# Altium PCB LimeSDR-Micro_M.2_2280_1v1.PcbDoc (part 3 of 7) (continued)
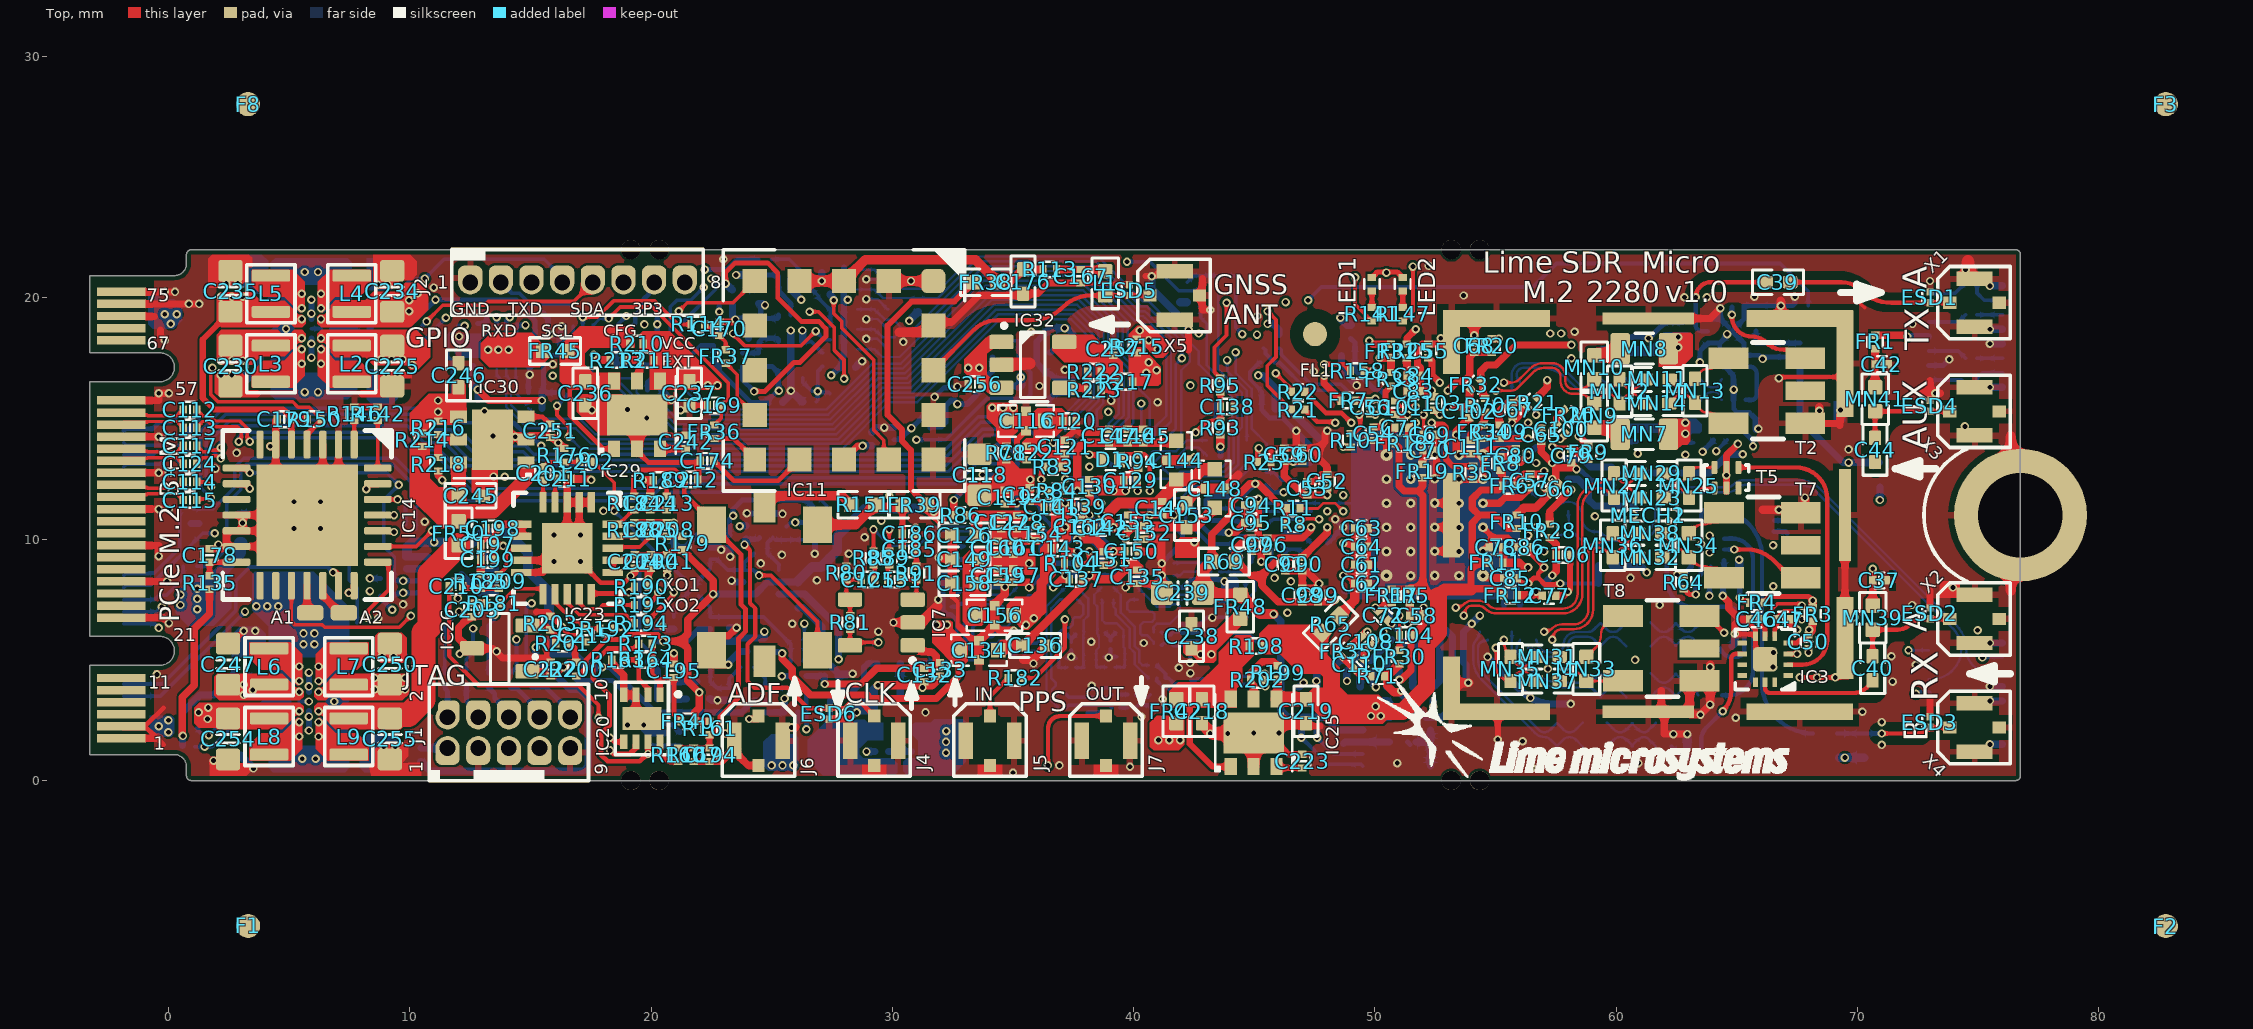
[diagram p0: Top view]
## Nets (pads, with @x,y where several pads share a name; then routed paths per layer and width w, separated by ;. In a path a pad name is that pad's centre, name@x,y a point inside that pad or via, vN(x,y) a via of type N, cw(c..) or ccw(c..) an arc to the next point about the centre after c; other vN are vias at no path point) (continued)
  Top w0.3: J3.P1@-1.95,1.75 -0.467,1.75 ; J3.P21@-1.95,6.75 -0.2,6.75 v1(0.025,6.525) ; J3.P27@-1.95,8.25 v1(-0.05,8.25) ; J3.P33@-1.95,9.75 -1.942,9.742 -0.4,9.742 v1(-0.4,9.3) ; J3.P39@-1.95,11.25 v1(0.025,11.25) ; J3.P45@-1.95,12.75 v1(0.025,12.75) ; J3.P51@-1.95,14.25 v1(-0.4,14.25) v1(0.025,14.25) ; J3.P57@-1.95,15.75 -0.4,15.75 v1(-0.4,16.05) v1(0.025,16.05) ; J3.P71@-1.95,19.25 -1.925,19.225 -0.575,19.225 ; J3.P73@-1.95,19.75 v1(1.275,19.75) ; J3.P75@-1.95,20.25 v1(0.275,20.25) ; -0.325,18.675 -0.325,18.438 -0.15,18.263 v1(-0.15,18.25) ; C178.2@1.705,9.61 2.21,9.61 2.3,9.7 IC14.13@2.825,9.7 IC14.PAD@3.755,9.7 ; IC14.13@2.4,9.725 IC14.12@2.4,10.275 ; IC14.12@2.4,10.35 IC14.12@2.825,10.35 IC14.PAD@3.755,10.35 ; C230.1@2.75,16.025 3.675,16.025 ; IC14.11@2.825,11 IC14.PAD@3.755,11 ; IC14.12@3.075,10.35 IC14.11@3.075,11 ; IC14.PAD@4.45,12.995 IC14.6@4.45,13.925 4.45,14.905 C179.2@4.515,14.97 ; IC14.PAD@6.4,12.995 IC14.3@6.4,13.925 ; IC14.PAD@7.05,12.995 IC14.2@7.05,13.925 ; R146.2@7.827,15.48 R142.2@8.675,15.48 ; 8.02,16.025 C225.1@8.95,16.025 ; R218.2@11.175,12.83 11.175,12.639 11.35,12.464 v1(11.35,12.45) ; v1(12.075,5.25) 12.15,5.325 12.426,5.325 IC26.3@12.576,5.475 13.45,5.475 13.85,5.075 15.674,5.075 C222.2@15.851,4.898 ; IC26.3@12.449,5.475 12.025,5.899 12.025,6.335 C203.1@12.48,6.79 ; R185.1@12.95,8.655 12.945,8.655 C199.1@12.945,9.15 v1(12.945,9.475) C197.1@12.945,9.8 12.945,9.919 13.165,10.139 C198.1@13.165,10.45 ; IC23.10@14.625,8.625 15.525,8.625 v4(15.975,9.075) ; IC23.9@14.625,9.125 IC23.21@15.975,9.125 ; IC30.2@14.825,14.125 15,14.3 15.715,14.3 15.8,14.215 C251.1@15.825,14.215 15.945,14.215 16.375,13.785 16.375,13.76 R176.2@16.4,13.76 ; IC23.21@16.525,10.175 IC23.3@16.525,11.525 ; IC23.21@17.025,10.175 IC23.2@17.025,11.525 ; IC23.1@17.525,11.525 IC23.2@17.025,11.525 ; v1(17.525,12.46) 17.511,12.46 17.471,12.5 C211.1@16.68,12.5 16.68,12.475 16.525,12.32 IC23.3@16.525,11.525 ; v1(17.625,17.65) 17.85,17.425 R213.2@18.305,17.425 ; R163.1@18.37,5 18.37,4.88 18.875,4.375 IC20.4@18.875,3.55 IC20.3@19.375,3.55 ; v1@19.175,8.475 19.325,8.625 C204.1@19.325,8.795 19.35,8.795 C200.2@20,8.795 19.88,8.675 R190.2@19.88,8.025 ; R188.2@19.3,10.68 20.945,10.68 v1(20.95,10.675) ; IC20.3@19.375,3.5 19.375,2.45 19.45,2.375 IC20.PAD@19.625,2.375 ; v1(19.65,12.45) 19.975,12.45 C214.1@19.975,11.78 ; C195.2@20.95,4.851 v1(20.95,5.275) ; R167.2@21.77,0.785 22.91,0.785 23.388,1.263 24.025,0.625 J6.2@24.45,0.625 ; C212.1@21.935,12.475 21.935,13.115 22.045,13.225 C174.2@22.045,13.25 ; XO1.2@22.7,4.8 v1(23.2,4.8) ; XO1.2@22.7,6 23.211,6 v1(23.546,6.335) ; C170.2@22.825,19.005 23.391,19.005 23.486,19.1 v1(23.5,19.1) ; J6.2@23.45,1.325 J6.2@23.45,1.65 ; ESD6.2@27.35,2.55 28.225,2.55 ; IC11.2@31.7,18.85 31.849,18.999 32.474,18.999 33.575,20.1 35.34,20.1 C176.1@35.42,20.18 36.03,20.18 36.47,20.62 C167.2@37.8,20.62 ; C159.1@34.366,8.22 C157.1@35.016,8.22 35.666,8.22 ; C119.1@34.666,11.47 35.137,11.47 v1(35.167,11.5) 35.237,11.57 C123.2@35.691,11.57 36.091,11.57 C141.1@36.286,11.375 ; v1(36.667,8) 37.017,8.35 C137.1@37.336,8.35 ; v1@37.136,8.444 R104.2@37.136,8.925 ; R104.2@37.136,9 C143.1@37.136,9.495 ; C151.2@38.766,8.92 39.087,8.92 v1(39.167,9) ; v1(39.667,8) 39.837,8.17 C239.1@41.167,8.17 ; C155.1@39.766,11 v1(40.667,11) C140.1@41.191,11 v1(41.667,11) 41.691,11 42.041,11.35 42.091,11.35 42.191,11.45 C153.1@42.191,11.5 42.191,11.55 42.291,11.65 42.341,11.65 42.741,12.05 42.916,12.05 C148.2@42.966,12.1 ; C150.2@40.191,9.48 v1@40.191,9.995 ; C150.2@40.291,9.48 41.167,9.48 ; C152.1@40.441,9.995 41.141,9.995 ; C239.1@41.167,7.825 v1(41.167,8.5) 41.167,8.75 v1(41.167,9) 41.167,9.48 ; 41.167,9.995 41.167,9.48 ; C144.2@42.166,13.275 42.391,13.275 v1(42.516,13.4) ; 42.275,17.845 v1(42.275,18.675) X5.2@42.275,19.175 ; 42.85,20.8 42.85,19.5 v1(43.175,19.5) ; v1@43.991,10.275 44.241,10.275 44.601,10.636 C95.2@44.601,10.691 C94.2@44.601,11.408 ; C97.2@44.891,9.49 C96.2@45.546,9.49 ; v1(45.291,9.075) 45.291,9.412 ; v1@45.41,4.425 45.41,3.94 v1(45.45,3.9) ; C59.2@46.246,13.779 C60.2@46.816,13.779 ; C91.2@46.291,8.681 C90.2@46.991,8.681 47.172,8.681 v1(47.687,8.165) 47.489,7.967 C98.2@46.991,7.967 C90.2@46.991,8.671 ; v1(46.741,14.487) 46.741,13.854 C60.2@46.816,13.779 ; C53.2@47.201,12.388 47.504,12.388 47.796,12.68 C52.2@48.016,12.68 48.016,13 47.67,13.346 47.67,13.779 ; v1(48.02,14.492) 48.02,14.479 47.928,14.387 47.928,14.037 47.67,13.779 ; C110.2@49.551,5.01 49.551,5.29 C108.2@49.814,5.552 50.018,5.756 v1(50.018,5.834) ; C72.2@50.539,6.645 v1(50.684,6.5) ; v1@51.091,4.175 51.491,4.575 51.491,5.939 C104.2@51.577,6.025 51.577,6.05 51.602,6.05 52.002,6.45 C58.2@52.002,6.825 v1@52.002,7.138 ; C103.2@52.466,15.905 52.246,16.125 C83.2@51.885,16.125 C84.2@51.885,16.775 51.885,17.106 51.766,17.225 51.766,17.9 51.951,18.085 C55.2@52.216,18.085 MECH2.1@53.175,18.085 ; v3(52.48,9.5) MECH2.1@52.905,9.5 ; v3(52.48,10.5) MECH2.1@52.905,10.5 ; v3(52.48,11.5) MECH2.1@52.905,11.5 ; v3(52.48,12.5) v3@52.576,12.596 ; v3@52.551,12.596 C70.2@52.551,13.678 C69.2@52.551,14.33 ; v3(53.48,13.49) 53.366,13.605 v1(53.366,14.325) 53.366,14.486 C102.2@53.911,15.031 ; v3@53.48,13.545 C111.2@53.966,13.545 v4@54.48,13.545 ; R35.2@54.066,12.47 v3@54.48,12.47 ; v4(54.48,8.49) 54.58,8.39 C85.2@55.333,8.39 ; v3(54.48,9.49) 54.665,9.675 C78.1@54.736,9.675 ; v3(54.48,11.49) 55.156,11.49 55.391,11.725 56.028,11.725 56.093,11.79 56.097,11.79 C57.1@56.44,12.133 ; C109.2@55.141,14.73 55.141,15.3 55.496,15.655 C67.2@55.716,15.655 55.83,15.655 55.999,15.824 v1(56.012,15.824) ; C65.2@56.891,14.045 56.891,13.614 v1(57.344,13.16) 57.491,13.014 57.491,12.433 C66.2@57.636,12.288 ; C77.2@57.496,7.65 57.816,7.65 v1(57.991,7.825) ; 57.616,12.964 58.141,12.964 ; v1@57.714,14.152 C100.2@57.914,14.352 ; C79.2@58.141,13.12 v1(58.353,12.908) ; MECH2.1@61.325,19.15 63.891,19.15 v1(64.316,19.575) ; MECH2.1@61.866,2.975 61.866,3.725 ; MECH2.1@61.991,2.675 61.991,1.925 v1(62.366,1.925) v1(62.941,1.925) ; MECH2.1@63.066,2.725 v1@63.466,2.725 ; v1(63.491,2.725) v1@63.466,2.725 ; v1(63.891,3.15) v1@63.466,2.725 ; v1(64.416,7.65) 64.666,7.4 64.666,7.125 65.116,6.675 ; T5.5@64.566,11.975 T5.5@64.566,12.125 v1(64.566,12.65) T5.2@64.566,12.975 64.566,13.475 v1(65.041,13.95) ; v1(64.916,6.075) 64.916,6.475 65.116,6.675 ; C46.2@65.536,6.675 65.116,6.675 ; C47.2@67.196,6.675 67.196,6.545 v1(67.491,6.25) ; v1(67.966,5.3) C50.2@67.966,5.47 ; 68.691,14.8 69.116,14.8 ; 69.266,14.713 MECH2.1@69.266,15.137 ; MECH2.1@69.475,4.725 MECH2.1@69.475,11 ; 72.6,16.05 73.425,16.05 ; ESD3.2@73,2.65 73,3.475 ; ESD2.2@73,7.15 73,7.875 ; ESD4.2@73,15.75 73,16.575 ; IC23.3@16.525,11.525 IC23.2@17.025,11.525 ; C60.2@46.816,13.779 C60.2@46.98,13.779 47.67,13.779
  Top w0.35: v1(4.225,13.85) v1@4.286,13.85 ; IC30.PAD@14.018,14.25 IC30.2@14.732,14.25 ; IC29.PAD@20.178,15.775 v1(20.85,15.775) ; v1(23.075,1.95) J6.2@23.375,1.95 ; J6.2@25.525,2.2 v1(25.825,2.2) v1@25.975,2.2 ; v1(29.4,3.95) 31.63,3.95 C133.2@31.975,4.295 ; v1(30.05,6.55) IC7.2@30.845,6.55 ; v1(31.925,9.225) C149.1@32.6,9.225 ; C158.1@32.486,8.175 C149.1@32.486,9.05 ; C149.1@32.491,9.175 C126.1@32.491,10.175 ; 33.591,5.575 C134.2@33.591,5.8 C156.2@34.241,6.45 34.491,6.2 v1(35.041,6.2) ; C118.1@33.685,13.75 v1(34.216,13.75) ; C156.2@34.241,7.3 34.667,7.726 v1(34.667,8.025) ; 35.425,5 35.816,5 C136.1@36.416,5.6 ; v1(35.667,8) v1@35.667,8.17 ; C148.2@43.766,12.1 44.345,12.68 ; MECH2.1@53.302,3.952 53.4,4.05 v1(53.866,4.05) v1@53.916,4.05 ; C68.2@54.116,18.33 v1(54.116,18.45) MECH2.1@54.116,19.225 ; MECH2.1@63.041,3.05 T8.3@63.041,3.825 ; v1@63.891,3.2 v1(63.891,4.7) v1@63.891,4.8 ; 66.069,11.225 v1(66.741,11.225) 67.514,11.225 T7.1@67.644,11.095 67.816,11.267 v1(67.816,11.725) ; MECH2.1@66.825,19.462 66.825,19.887 ; T2.3@68.416,15.192 v1(68.416,15.325) v1@68.416,15.475
  Top w0.4: v1@1.875,0.729 v1@1.875,0.8 ; IC11.16@29.897,20.7 IC11.1@31.7,20.7 ; 30.297,18.575 31.425,18.575 IC11.2@31.7,18.85 ; IC7.2@31.2,6.55 31.875,7.225 ; 76.35,7.852 J3.MOUNTING-HOLE@76.35,10.6 ; 76.35,14.275 76.35,11.527 J3.MOUNTING-HOLE@76.75,11.127
  Top w0.5: IC29.2@19.425,13.75 IC29.PAD@19.425,15.023 ; IC32.2@34.525,17.275 35.675,17.275 ; C218.1@42.825,2.375 43.25,1.95 IC25.PAD@45.775,1.95 ; IC25.2@44.975,0.575 IC25.PAD@44.975,1.176 ; IC25.PAD@45.575,2.275 45.675,2.375 C219.1@47.14,2.375 ; X1.2@74.575,20.775 74.575,21.525
  L2 w0.11: 48.686,14.545 48.686,15.093
  L4 w0.11: 48.686,14.545 48.686,15.093 ; 51.136,15.491 v1(51.683,15.491)
  L4 w0.35: v1(51.683,15.491) v1(52.349,16.157)
  L5 w0.11: 48.686,14.545 48.686,15.093
  L6 w0.1: v1(56.345,14.825) 56.916,14.825 57.041,14.95
  L6 w0.45: v2(27.575,20.825) v1@28.92,20.825
  Bottom w0.1: v1(28.92,18.3) 29.382,18.3 29.807,17.875 R133.2@29.825,17.875 ; v1(28.92,19.125) 29.382,19.125 29.807,18.7 R128.2@29.825,18.7 ; v1(28.92,19.95) 29.382,19.95 29.807,19.525 R129.2@29.825,19.525 ; v1(28.92,20.775) 29.382,20.775 29.807,20.35 R127.2@29.825,20.35
  Bottom w0.11: IC1.T30@48.353,11.495 49.221,11.495
  Bottom w0.15: IC31.D1@6.625,3.275 v1(6.875,3.275) ; 32.666,6.64 32.666,5.85 32.796,5.72 C11.1@32.796,5.555 32.796,5.392 33.178,5.01 R32.1@33.491,5.01 ; v1(34.667,8.025) IC6.C2@35.154,8.513 ; 36.141,11.35 36.141,11.026 IC6.G5@36.667,10.5 ; C1.1@37.206,5.075 C3.2@37.626,5.075 ; v1@37.416,5.148 R3.1@37.416,5.41 ; C16.1@38.141,3.785 R40.1@38.691,3.785 38.723,3.785 38.786,3.847 39.573,3.847 ; IC6.F8@38.167,10 IC6.E9@38.667,9.5 ; v1(38.167,11) IC6.G9@38.667,10.5 ; C6.2@38.781,5.125 C4.1@39.301,5.125 ; v1@39.041,5.148 R17.1@39.041,5.46 ; R47.1@41.791,3.34 41.966,3.165 C21.1@42.366,3.165 42.716,3.165 ; R56.1@41.891,6.49 42.051,6.49 42.096,6.445 C26.1@42.403,6.445 42.711,6.445 43.016,6.75 v1(43.266,6.75) ; v1@42.341,4.925 42.341,5.392 42.371,5.423 42.371,5.455 C24.2@42.403,5.455 ; C19.2@42.366,4.155 42.571,4.155 42.641,4.225 42.95,4.225 ; v1@43.266,6.77 R109.2@44.281,6.77 44.696,6.77 ; R111.2@44.041,9.53 44.073,9.53 44.073,9.559 44.353,9.838 45.003,9.838 45.291,9.55 v1(45.291,9.075) ; C7.1@45.261,17.325 45.207,17.325 44.816,16.934 44.816,16.626 45.306,16.136 C93.2@45.306,16.1 ; C35.2@62.543,13.995 C33.1@63.214,13.995
  Bottom w0.2: IC8.8@12.625,18.425 13.025,18.425 IC8.9@13.2,18.6 13.2,19.275 13.05,19.425 ; 12.8,18.938 13.2,18.938 ; IC13.4@13.55,7.775 IC13.3@13.55,8.275 IC13.2@13.55,8.775 IC13.1@13.55,9.275 ; C172.1@14.92,16.075 14.92,16.77 v1(14.975,16.825) IC8.16@14.975,17.225 ; v1(15.8,18.5) 15.875,18.425 IC12.8@16.2,18.425 IC12.7@16.2,18.025 16.3,18.125 ; IC9.7@20.256,18.025 20.256,18.425 C166.2@20.256,19.699 ; IC9.2@21.625,17.05 IC9.1@22.025,17.05 ; IC9.1@22.025,17.1 IC9.1@22.025,17.05 ; v2(22.375,16.85) 22.025,16.85 IC9.1@22.025,17.05 ; v1(31.75,15.9) 32.123,16.273 32.388,16.273 C168.2@32.43,16.315 ; R105.2@32.421,10.035 33.765,10.035 34.3,9.5 35.167,9.5 ; 32.666,6.64 32.413,6.892 32.278,6.892 32.106,7.065 R107.2@32.106,7.2 R108.2@32.106,7.75 32.106,8.521 32.405,8.82 33.196,8.82 33.991,8.025 v1(34.667,8.025) ; R29.2@33.666,5.99 C9.2@34.116,5.99 34.251,6.125 34.966,6.125 v1(35.041,6.2) ; v1(33.741,12.675) 34.492,12.675 IC6.L1@34.667,12.5 ; v1(34.216,13.75) 34.466,14 IC6.P1@34.667,14 v1(35.167,13.5) ; IC6.H1@34.667,11 IC6.H2@35.167,11 ; IC6.J2@35.15,11.5 v1(35.167,11.5) ; IC6.C2@35.167,8.5 v1(35.667,8) IC6.C4@36.167,8.5 ; IC6.C2@35.167,8.513 IC6.D2@35.167,9 35.167,9.5 ; 35.935,11.5 IC6.J3@35.667,11.5 v1(35.167,11.5) ; 35.991,11.5 36.141,11.35 36.291,11.5 IC6.J5@36.667,11.5 ; v1(36.667,8) IC6.C4@36.167,8.5 ; v1(37.167,8.5) IC6.C7@37.667,8.5 37.667,8.849 37.516,9 ; v1(37.167,12.5) IC6.L7@37.667,12.5 ; v1(37.667,9.5) 37.667,9.151 37.516,9 ; IC6.G7@37.667,10.5 v1(38.167,11) IC6.J7@37.667,11.5 ; IC6.F8@38.167,10 IC6.G9@38.667,10.5 ; IC6.C9@38.667,8.5 IC6.C10@39.167,8.5 ; IC6.E9@38.667,9.5 38.667,9.099 38.791,8.975 39.071,8.975 39.077,8.981 39.148,8.981 v1(39.167,9) IC6.C10@39.167,8.5 ; v1(38.667,11.5) IC6.K8@38.167,12 38.167,12.299 ; IC6.L9@38.667,12.5 38.368,12.5 38.167,12.299 ; IC6.G11@39.667,10.5 39.991,10.5 ; IC6.J11@39.667,11.5 IC6.H12@40.167,11 ; IC6.L11@39.667,12.5 39.941,12.5 40.148,12.293 40.148,12.019 v1(40.167,12) ; IC6.J13@40.667,11.5 v1(40.667,11) ; v1(41.667,11) 41.667,10.558 42.025,10.2 42.025,9.858 v1(41.167,9) v1(41.167,8.5) ; R15.1@43.716,10.275 R15.1@43.491,10.275 43.116,10.275 42.616,10.775 42.616,11.125 42.366,11.375 41.991,11.375 41.616,11 IC6.H14@41.167,11 v1(40.667,11) ; v1@43.866,8.325 42.366,8.325 42.041,8 IC6.B15@41.667,8 v1(41.167,8.5) ; C93.2@45.306,16.1 C92.2@45.306,15.4 45.306,15.36 45.516,15.15 45.516,15.142 45.633,15.025 46.155,15.025 v1@46.816,14.365 ; IC1.AA31@48.02,9.83 v1(48.686,10.496) ; v1(48.353,10.829) v1(48.686,10.496) ; IC1.AG29@48.686,7.832 49.157,7.832 ; 49.341,10.5 48.69,10.5 v1(48.686,10.496) ; 50.642,7.824 50.642,6.648 50.656,6.635 50.656,6.529 v1(50.684,6.5) IC1.AM22@51.017,6.167 ; IC2.PAD@51.35,1.6 IC2.PAD@51.45,1.5 ; IC1.AK20@51.683,6.833 v1(52.016,7.166) 52.016,7.975 52.041,8 ; IC1.B20@51.683,16.157 52.016,16.49 v1(52.349,16.157) ; IC1.AJ9@55.346,7.166 55.346,7.637 ; 55.691,7.8 56.012,7.478 IC1.AJ7@56.012,7.166 ; 55.793,14.273 v1(56.345,14.825) ; v1(58.353,12.908) 58.382,12.879 58.512,12.879 58.956,12.435 C82.2@59.416,12.435 ; C30.1@60.191,14.045 C32.2@60.841,14.045 ; C29.1@60.216,18.38 C31.2@60.866,18.38 61.413,18.38 62.013,18.98 C34.1@62.141,18.98 C36.2@62.791,18.98 ; C48.2@62.734,8.06 62.516,8.279 v1(62.516,8.525) 62.793,8.525 IC4.7@63.116,8.847 IC4.EP@63.116,9.45 ; v1(63.466,17.325) 63.466,17.8 IC5.1@63.791,18.125 64.279,18.125 ; IC5.3@63.791,19.125 64.316,19.125 ; IC5.12@64.291,17.522 v2(64.291,17.25) 64.416,17.125 64.516,17.125 64.867,16.774 T1.5@64.867,16.625 ; IC5.12@64.291,17.625 64.291,18.125 IC5.EP@64.616,18.45 ; 64.316,19.375 64.316,19.125 ; IC5.EP@64.661,18.78 64.316,19.125 ; T1.2@64.867,15.775 64.867,15.399 65.016,15.25 65.516,15.25 65.791,14.975 R63.2@65.791,14.85 ; v1(66.066,17.475) v1@65.991,17.55 ; C45.2@66.966,17.55 v1@65.991,17.55 ; v1(67.4,20.05) 67.4,19.775 67.31,19.685 65.291,19.685 IC5.6@65.291,19.625 65.291,19.125 IC5.EP@64.791,18.625 65.291,18.125 IC5.10@65.291,17.625 65.916,17.625 v1@65.991,17.55 ; X13.12@72.943,17.2 73.55,17.2 v1(73.8,17.45) ; IC6.L1@34.667,12.5 IC6.K2@35.167,12 v1(35.167,11.5) ; IC6.L1@34.667,12.5 IC6.M2@35.167,13 v1(35.167,13.5) ; 35.167,9.5 v1(35.667,10) ; IC6.H2@35.167,11 IC6.G2@35.167,10.5 IC6.G3@35.667,10.5 v1(35.667,10) ; IC6.H2@35.167,11 v1(35.167,11.5) ; v1(35.167,13.5) IC6.P3@35.667,14 IC6.N4@36.167,13.5 v1(36.667,14) IC6.N6@37.167,13.5 37.416,13.5 37.667,13.249 IC6.L7@37.667,12.5 ; v1(35.667,10) IC6.F4@36.167,10 IC6.E4@36.167,9.5 IC6.D5@36.667,9 ; IC6.C4@36.167,8.5 IC6.D5@36.667,9 ; IC6.D5@36.667,9 IC6.D6@37.167,9 37.516,9 ; IC6.L7@37.667,12.5 37.966,12.5 38.167,12.299 ; IC6.C10@39.167,8.5 v1(39.667,8) IC6.C12@40.167,8.5 ; 39.991,10.5 40.167,10.676 IC6.H12@40.167,11 ; 39.991,10.5 40.167,10.324 v1(40.167,10) IC6.E12@40.167,9.5 IC6.C12@40.167,8.5 ; IC6.C12@40.167,8.5 IC6.B13@40.667,8 v1(41.167,8.5) ; IC6.H12@40.167,11 v1(40.667,11)
  Bottom w0.25: v1(5.825,2.075) IC31.F3@5.825,2.475 IC31.E3@5.825,2.875 ; IC31.C3@5.825,3.675 v1(5.825,3.9) IC31.B3@5.825,4.075 v1(5.825,4.475) ; v1(5.925,17.525) IC27.B3@5.925,17.925 v1(5.925,18.1) IC27.C3@5.925,18.325 ; IC27.E3@5.925,19.125 v1(5.925,19.35) IC27.F3@5.925,19.525 v1(5.925,19.925) ; C164.2@15.48,19.4 15.725,19.155 15.725,18.602 15.8,18.527 v1(15.8,18.5) ; 16.3,18.125 v1(16.3,18.825) ; C165.1@20.405,16.175 20.45,16.175 v1@21.25,15.375 ; v1@24.04,11.065 C196.1@24.95,11.065 v1@25.45,11.065 ; v1(25.425,4.325) IC18.2@25.713,4.325 ; v1(25.825,2.2) 26.098,2.473 C189.2@26.098,2.825 ; v1(26.787,9.4) IC21.2@26.787,9.975 ; C14.2@38.141,2.795 R38.2@38.666,2.795 ; IC1.K4@57.011,13.493 v1(57.344,13.16) ; 59.891,12.25 59.706,12.435 C82.2@59.416,12.435 C107.2@59.416,11.935 60.381,11.935 60.441,11.875 ; v1@63.899,3.15 T6.2@63.899,3.53 T6.5@63.899,4.38 v1@63.899,4.75 ; v1(64.416,7.65) 64.418,7.652 64.418,7.997 C49.2@64.421,8 ; T1.2@64.867,15.775 T1.5@64.867,16.625
  Bottom w0.3: v1(-0.4,14.25) 0.6,14.25 1.18,14.83 R139.2@1.18,15.375 ; v1(2.175,16.8) C224.1@3.488,16.8 ; C224.1@3.175,16.527 3.8,17.152 3.8,17.725 ; C220.1@4.025,9.85 4.375,9.5 C221.1@5.425,9.5 ; v1(8.85,5.15) 9.805,5.15 ; C177.2@9.88,8.775 IC13.PAD@11.4,8.775 ; IC13.PAD@12.15,8.525 12.9,7.775 IC13.4@13.55,7.775 ; IC13.PAD@12.9,8.275 IC13.3@13.55,8.275 ; IC13.PAD@12.9,8.775 IC13.2@13.55,8.775 ; IC13.PAD@12.9,9.275 IC13.1@13.55,9.275 ; v1(19.7,2.3) 19.71,2.29 19.71,2.15 19.85,2.01 19.85,1.985 R174.2@19.875,1.985 C193.2@20.55,1.985 ; 19.895,4.92 20.265,4.55 R154.2@20.265,4.095 C184.2@20.265,3.38 ; C188.1@20.15,6.335 20.515,6.335 20.575,6.275 IC17.2@20.95,6.275 ; C190.1@22.438,3.385 22.463,3.385 22.523,3.325 IC19.2@23.238,3.325 ; IC15.2@22.45,9.675 22.825,9.675 22.885,9.615 C181.1@23.25,9.615 ; v1(23.2,4.8) 23.21,4.81 23.21,4.881 23.674,5.345 C240.2@23.975,5.345 ; C187.2@23.25,6.335 v1(23.546,6.335) ; v1(23.275,9.275) C181.1@23.275,9.615 ; v1(23.34,8.285) 23.365,8.285 23.425,8.225 IC16.2@23.8,8.225 ; C173.2@23.38,19.7 23.38,19.234 23.5,19.114 v1(23.5,19.1) ; v1(23.5,19.1) 23.896,19.101 23.92,19.125 C206.2@23.945,19.125 ; v1(23.525,20.95) C207.1@23.945,20.95 ; C206.2@23.945,19.15 C206.2@23.945,19.125 ; C217.1@24.045,18.325 24.045,19.025 C206.2@23.945,19.125 ; C216.2@25.456,15.681 v1@25.85,16.075 ; v1(25.789,18.65) IC24.2@25.789,18.19 25.789,16.161 26.25,15.7 R131.2@26.295,15.7 ; IC22.2@25.789,20.79 25.789,20.361 v1(26.225,19.925) ; C182.2@26.1,7.165 26.296,7.165 27.075,6.386 27.075,5.124 27.755,4.444 C191.1@27.755,4.325 27.83,4.4 v1@28.355,4.4 ; C163.1@28.475,17.125 v1@28.738,17.387 ; v1(28.93,1.2) R206.2@29.28,1.2 ; C171.2@29.15,14.43 29.345,14.625 IC10.2@30.075,14.625 ; IC28.PAD@30.325,3.45 IC28.2@30.325,4.85 ; v1(39.066,15.748) R132.2@39.066,16.045 ; v1(40.75,20.9) 40.75,20.383 41.958,19.175 R126.2@42.227,19.175 42.227,18.736 42.275,18.689 v1(42.275,18.675) ; R15.1@43.716,10.275 v1(43.941,10.275) ; v1@46.816,14.365 IC1.J33@47.354,13.826 ; C81.1@47.591,3.88 47.591,4.41 C73.2@47.731,4.55 ; C89.2@48.611,17.6 48.611,17.005 v1(49.241,16.375) ; C28.2@48.7,1.54 48.76,1.6 IC2.7@49.5,1.6 IC2.PAD@50.6,1.6 ; v1@48.831,4.157 C74.2@48.831,4.55 ; C75.2@49.931,4.55 49.931,3.985 v1(50.041,3.875) ; v1@51.011,4.157 C105.2@51.011,4.55 ; IC2.PAD@51.7,1.6 IC2.2@52.3,1.6 ; C88.2@52.122,4.55 52.122,4.943 52.241,5.061 v2(52.241,5.075) ; IC2.4@52.3,0.6 IC2.3@52.3,1.1 IC2.2@52.3,1.6 ; IC2.1@52.3,2.1 IC2.2@52.3,1.6 ; v1(53.866,4.05) 53.866,4.064 53.771,4.159 C76.2@53.771,4.55 53.771,4.795 53.666,4.9 53.666,6.152 v1(54.014,6.5) v1(54.347,6.833) ; v1(54.666,5.125) 56.085,3.705 ccw(c57.366,4.986) 57.366,3.175 v1(58.116,3.175) ; v1(62.366,1.925) v1(62.941,1.925) ; v1@63.478,2.737 v1(63.891,3.15) ; T4.1@64.8,5.565 64.916,5.68 v1(64.916,6.075) ; v1@65.791,14.55 R63.2@65.791,14.85 ; v1(72.418,4.8) X8.4@72.943,4.8 ; v1(75.483,1.5) X8.15@76.008,1.5 ; v1(75.482,3.3) X8.9@76.007,3.3 ; v1(75.483,3.9) X8.7@76.008,3.9 ; v1(75.483,5.7) X8.1@76.008,5.7 ; v1(75.483,16.3) X13.15@76.008,16.3 ; v1(75.482,18.1) X13.9@76.007,18.1 ; v1(75.483,18.7) X13.7@76.008,18.7 ; v1(75.483,20.5) X13.1@76.008,20.5
  Bottom w0.35: C252.1@3.003,1.022 v1(3.525,0.5) ; T3.1@62.941,1.41 v1(62.941,1.925) ; C51.2@65.091,8.78 v1(65.091,9.15)
  other v1: 35,0.325 56.516,0.525 39.85,0.575 36.925,0.625 50.925,0.725 60.916,0.725 1.875,0.825 8.925,1.4 9.4,1.4 71,1.475 56.116,1.625 43.175,1.95 43.9,1.95 44.975,1.975 46.025,1.975 19.025,2.3 71,2.425 64.95,2.6 5.825,2.65 40.325,2.65 31.375,2.825 70.2,2.85 22.755,3.325 41.2,3.375 56.441,3.425 31.25,3.85 38.266,3.925 71.45,4.1 47.575,4.125 48.841,4.125 51.016,4.175 67.6,4.275 68.325,4.275 69.075,4.275 -0.475,4.4 28.355,4.425 45.425,4.425 42.35,4.45 57.166,4.625 41.875,4.675 66.5,4.7 35.85,4.85 42.341,4.875 60.783,5 38.966,5.1 37.416,5.125 9.325,5.15 71.4,5.15 66.516,5.3 13.6,5.35 38.241,5.75 29.425,6.175 3.6,6.2 74.975,6.225 16.3,6.375 20.49,6.385 25.85,6.5 8.7,6.725 69.875,6.775 46.375,6.95 61.8,7.275 72.259,7.274 9.725,7.3 31.9,7.5 12,7.55 8.35,7.85 73.95,8 66.508,8.05 43.766,8.25 26.875,8.3 19.88,8.35 60.591,8.4 19.15,8.475 24.55,9 25.425,9.35 28.2,9.4 63.866,9.45 22.91,9.565 66.5,9.75 2.075,9.775 63.516,9.8 28.85,10.085 63.866,10.15 30.975,10.475 3.075,10.675 10.625,10.725 29.55,10.775 62.166,10.775 60.241,10.9 25.45,11.05 23.975,11.075 18.025,11.175 -0.4,11.25 57.344,12.494 13.475,12.6 -0.4,12.75 1.95,12.925 62.866,13.5 60.891,13.55 2.825,13.575 59.341,13.725 69.625,13.725 16.16,14 57.677,14.159 14.375,14.25 13.45,14.275 65.891,14.575 29.664,14.625 74.45,14.675 19.825,15.025 50.018,15.158 13.1,15.3 17.55,15.35 21.225,15.35 69.291,15.35 19.025,15.375 40.991,15.675 73.225,16.05 25.8,16.15 64.866,16.2 32.7,16.325 36.1,16.35 50.241,16.625 2.625,16.8 9.025,16.875 9.5,16.875 47.466,16.95 37.15,17.025 15.925,17.25 28.75,17.375 58.141,17.5 30.45,18.175 52.725,18.325 61.341,18.325 12.05,18.4 64.591,18.5 35.75,18.6 58.275,18.6 4.875,18.725 20.256,18.912 72.275,18.925 45.125,19.25 66.825,19.675 0.85,19.75 62.825,20.025 63.757,20.025 65.725,20.05 53.675,20.1 -0.15,20.25 11,20.425 8.675,20.55 9.075,20.55 2.4,20.6 2.875,20.6 30.775,20.7 73,20.7 74.475,21.175 52.225,21.325 23,21.6
  other v2: 44.241,5.4 7.8,6.075 9.3,9.85 18.875,10.05 50.684,15.824
  other v3: 51.48,8.49 52.48,8.5 53.48,8.49 50.48,9.49 51.48,9.49 53.48,9.49 5.2,10.45 6.3,10.45 50.48,10.49 51.48,10.49 53.48,10.49 50.48,11.49 51.48,11.49 53.48,11.49 5.2,11.55 6.3,11.55 50.48,12.49 51.48,12.49 53.48,12.49 51.48,13.49 52.48,13.5
  other v4: 50.48,8.49 17.075,9.075 17.075,10.175
GNSS_1PPS: IC11.6 R180.1 | length 7.9
  Top w0.15: v1(27.575,19.9) 27.575,19.35 27.9,19.025 27.9,18.75 29.225,17.425 29.225,14.525 29.65,14.1 29.65,13.5 IC11.6@29.85,13.3
  Bottom w0.3: R180.1@27.43,20.15 27.43,20.125 27.565,19.99 27.565,19.91 v1(27.575,19.9)
GNSS_ANT: ESD5.1 IC11.3 L1.1 X5.1 | length 10
  Top w0.18: IC11.3@31.7,17 33.368,18.668 cw(c34.35,17.687) 34.35,19.075 35.747,19.075 ccw(c35.747,20.953) 37.075,19.625 cw(c38.222,18.478) 38.222,20.1 L1.1@38.825,20.1 ESD5.1@39.825,20.1 X5.1@40.675,20.1
GNSS_FIX: IC11.13 IC14.21 | length 29
  Top w0.15: v1(21.15,19.45) 21.5,19.8 23.4,19.8 IC11.13@24.3,20.7
  Top w0.3: IC14.21@7.7,7.775 IC14.21@7.7,8.075
  Top w0.35: v1(7.475,7.775) IC14.21@7.675,7.775
  L6 w0.1: v1(7.475,7.775) 7.475,8.816 7.875,9.216 7.875,12.25 10.55,14.925 11.332,14.925 11.6,15.193 11.6,15.717 12.958,17.075 14.375,17.075 14.799,17.499 14.799,18.075 14.324,18.55 13.8,18.55 13.78,18.57 13.77,18.57 13.275,19.065 13.275,19.335 13.515,19.575 19.95,19.575 20.075,19.45 v1(21.15,19.45)
GNSS_HW_R: C171.1 IC11.7 | length 1.4
  Top w0.3: IC11.7@28,13.3 28.56,13.86 28.76,13.86 v1(28.77,13.87)
  Bottom w0.3: v1(28.77,13.87) C171.1@29.15,13.87
GNSS_HW_S: C174.1 IC11.8 | length 4.3
  Top w0.2: C174.1@22.605,13.25 22.605,13.225 22.655,13.175 22.68,13.175 23.43,12.425 25.275,12.425 IC11.8@26.15,13.3
GNSS_RXD: IC12.10 J2.2 pad.2@13.78,20.84 R114.1 | length 9.8
  Top w0.15: v1(17.175,19.2) 17.775,19.2 18.45,19.875 20.154,19.875 21.129,18.9 R114.1@21.67,18.9
  Bottom w0.15: J2.2@13.78,20.64 14.22,20.2 14.535,20.2 14.985,19.75 16.625,19.75 v1(17.175,19.2) IC12.10@17.175,18.6
GNSS_RXD_LS: IC6.P9 IC12.3 | length 30.9
  Bottom w0.1: IC12.3@17.175,17.05 17.175,16.8 17.725,16.25 18.667,16.25 19.567,15.35 20.15,15.35 20.938,14.562 27.593,14.562 29.506,16.475 30.68,16.475 34.12,19.915 37.74,19.915 38.95,18.705 38.95,17.344 39.391,16.903 39.391,15.214 38.967,14.79 38.967,14.3 IC6.P9@38.667,14
GNSS_TXD: C169.1 FR36.1 IC12.11 J2.3 pad.2@15.05,20.84 | length 13.4
  Top w0.15: v1(18.25,19.15) 18.725,19.625 20.05,19.625 23.2,16.475 23.2,15.845 23.005,15.65 22.98,15.65 22.905,15.575 C169.1@22.905,15.55 22.905,15.01 22.725,14.83 22.725,14.805 22.65,14.73 FR36.1@22.625,14.73
  L4 w0.15: J2.3@15.05,20.64 15.79,19.9 17.5,19.9 v1(18.25,19.15)
  Bottom w0.1: IC12.11@17.575,18.6 17.575,18.837 17.863,19.125 v1@18.3,19.125
GNSS_TXD_LS: IC6.P10 IC12.2 | length 30.6
  Bottom w0.1: IC12.2@17.575,17.05 17.575,16.8 17.925,16.45 18.75,16.45 19.65,15.55 20.233,15.55 21.021,14.762 27.511,14.762 29.424,16.675 30.597,16.675 34.037,20.115 37.823,20.115 39.15,18.788 39.15,17.426 39.591,16.986 39.591,15.131 39.167,14.707 39.167,14.217 IC6.P10@39.167,14
LA_CFG_BOOT_HO: IC6.R14 R119.2 R128.1 | length 19.3
  Bottom w0.1: R119.2@28.55,18.7 R128.1@29.265,18.7 29.265,18.675 29.365,18.575 29.39,18.575 29.59,18.375 30.1,18.375 30.25,18.525 30.997,18.525 33.587,21.115 38.269,21.115 40.134,19.25 40.383,19.25 40.458,19.175 40.467,19.175 40.775,18.867 40.775,18.858 41.55,18.083 41.55,14.883 IC6.R14@41.167,14.5
LA_CFG_BOOT_SRC0: IC6.M14 J2.6 pad.2@18.86,20.84 R117.2 R125.1 R126.1 | length 36.3
  L4 w0.1: J2.6@18.86,20.64 19.51,21.29 21.88,21.29 22.09,21.5 22.36,21.5 22.585,21.275 24.104,21.275 24.529,21.7 33.675,21.7 33.875,21.5 v1(39.725,21.5)
  Bottom w0.1: IC6.M14@41.167,13 41.467,12.7 41.833,12.7 41.933,12.8 43.766,12.8 44.141,13.175 44.141,14.574 44.291,14.724 44.291,15.95 43.025,17.216 43.025,18.937 R126.1@42.787,19.175
  Bottom w0.15: v1(39.725,21.5) 40.675,21.5 41.875,20.3 42.722,20.3 R125.1@42.787,20.365 R126.1@42.787,19.175